# Allegro board 6089-119-RevB_08.brd (continued)
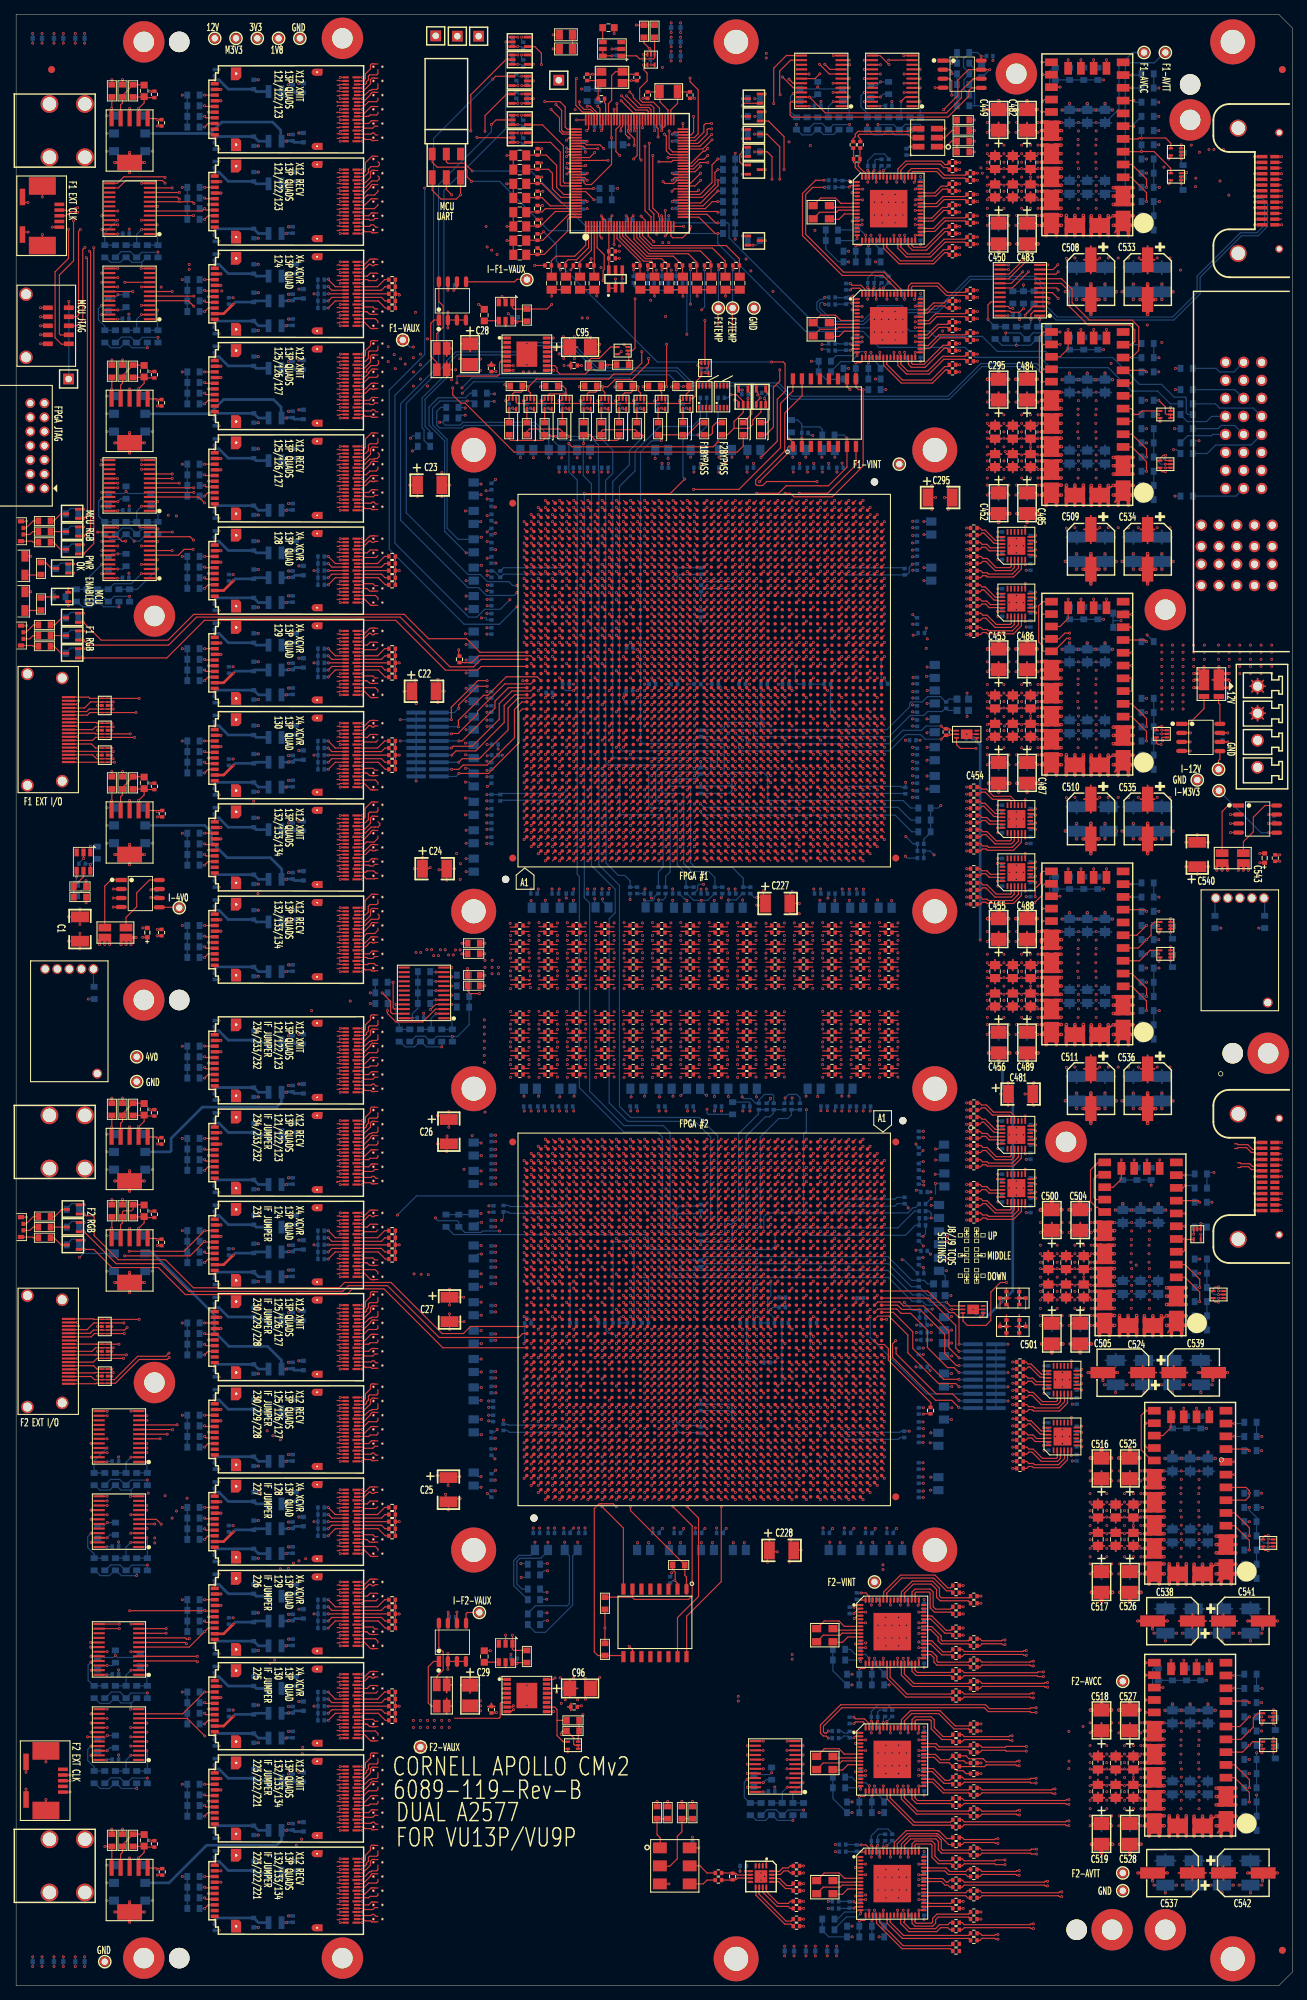
[diagram p0: board, top side]
## Routing (per net, layer and track width the routed paths; a pad name or vN(x,y) marks a point on that pad's centre or on a via; arc(x,y) is an arc through that point) (continued)
  BOTTOM w0.165: R219.2 v1(161.07,221.4) ; R217.2 v1(161.07,227.4) ; v1(98.44,125.3) 98.44,126.26 C881.2 ; C1014.1 v1(67.6,104.25) ; R515.1 R514.1 R513.1 ; R515.1 v1(41.99,173.4) ; R515.1 R516.1 R517.1 ; C839.2 v1(115.7,213.29) ; C1213.2 v1(28.61,32) ; C725.2 130,76.33 129.83,76.5 v1(128.85,76.5) ; C1005.2 v1(66.35,166.95) ; C734.2 v1(128.95,111.85) ; R530.1 R531.1 R532.1 ; R530.1 v1(41.99,52.4) ; R530.1 R529.1 R528.1 ; v1(9.66,2.72) C1228.2 v1(9.66,4.08) ; C580.2 156.16,162.69 156.15,162.7 ; v1(87.61,94.29) 87.61,94.04 R445.1 ; v1(75.09,215.3) C955.2 75.09,217.76 73,219.85 63.15,219.85 62.8,219.5 59.72,219.5 59.3,219.92 59.3,221.85 59.85,222.4 R480.2 ; v1(67.65,206.15) 67.3,206.15 C991.2 ; R246.2 R245.2 R202.2 v1(160,112.8) ; 148.15,124.7 148.16,124.69 C632.2 ; v1(16.12,38.98) 16.2,39.05 16.2,39.85 ; R410.1 102.4,153.9 101.5,153 v1(100.4,153) 100.4,152.09 C877.2 ; R507.1 R506.1 R505.1 ; R323.1 122.36,8.59 C815.2 121.05,10.6 v1(121,10.65) ; R262.2 R254.2 R250.2 v1(153.3,230.54) ; v1(16.12,68.97) 16.2,69.05 16.2,69.85 ; C1041.2 65.08,107.57 v1(65.62,107.57) ; C1019.1 v1(67.6,86.55) ; C1215.2 v1(28.61,19) ; v1(131.25,104.85) 130.46,104.85 C723.2 ; C859.2 v1(113.45,265.51) ; R294.1 135.1,264.9 ; 135.1,264.9 136.4,264.9 v1(136.94,264.36) ; 135.1,264.9 135.1,267.1 134.36,267.84 R292.1 134.36,267.96 135.15,268.75 135.15,270.05 134.36,270.84 R290.1 ; v1(103.16,223.65) 103.2,223.69 C874.2 ; v1(79.52,223.34) 79.95,222.91 C941.2 ; C953.2 v1(76.55,213.29) ; v1(112.39,184.29) 111.95,183.85 R377.1 R370.1 ; v1(73.64,123.27) 73.65,123.27 73.65,123.8 C961.2 ; J12.10 J12.8 J12.6 J12.4 ; J12.10 v1(54.15,175.4) ; J12.10 J12.12 J12.14 J12.16 J12.18 J12.20 v1(56.39,169.76) ; v1(127.25,30.45) 127.35,30.35 C746.2 ; R535.1 R534.1 R533.1 ; R535.1 v1(41.99,39.4) ; R535.1 R536.1 R537.1 ; v1(128.4,176.55) 128.49,176.64 C729.2 ; R682.1 7.14,109.49 7.85,110.2 9.45,110.2 v1(9.6,110.05) ; v1(66.61,81.5) C987.2 ; v1(99.39,182.51) 99.39,183.01 R422.1 ; R434.1 94.55,153.9 95.5,152.95 96.58,152.95 v1(96.59,152.95) ; C693.2 v1(138.39,117.95) ; R676.1 11.11,70.54 11.8,69.85 13.2,69.85 13.89,70.54 R652.1 14.11,70.54 14.8,69.85 16.2,69.85 ; v1(92.5,259.9) 92.55,259.95 C901.2 ; C1009.2 v1(67.6,118.95) ; C997.2 v1(66.4,194.45) ; v1(92.5,250.4) 92.55,250.45 C903.2 ; v1(98.44,123.27) 98.56,123.39 98.55,123.4 C884.2 ; C771.2 127.85,78.55 v1(127.9,78.5) ; 153.5,264.31 C598.2 153.5,264.31 ; J11.8 J11.6 J11.4 ; J11.8 v1(139.82,84.4) ; J11.8 J11.10 J11.12 ; C780.1 v1(126.39,191.85) ; J11.12 v1(139.82,86.4) ; J11.12 J11.14 J11.16 J11.18 J11.20 v1(139.82,90.4) ; v1(85.61,94.29) 85.22,94.29 85.05,94.13 R453.1 R448.1 ; 168,74.31 C551.2 168,74.31 ; v1(6.66,273.72) C1230.2 v1(6.66,275.08) ; v1(120.5,230.15) 120.55,230.1 C817.2 121.86,228.09 R327.1 ; R213.2 v1(159.35,249.4) ; C743.2 v1(128,44.87) ; C1034.2 64.04,173.45 v1(63.35,173.45) ; C1229.1 8.54,153.59 9.85,154.9 9.85,155.68 v1(9.86,155.7) ; R525.1 R526.1 R527.1 ; R525.1 v1(41.99,65.4) ; R525.1 R524.1 R523.1 ; v1(167.8,43.04) R184.2 R194.2 R200.2 R201.2 ; C801.2 v1(123.09,62.45) ; C1007.2 v1(66.36,162.95) ; v1(9.5,158.83) 8.85,158.18 C1226.2 ; R663.1 12.61,243.54 13.3,242.85 14.7,242.85 15.39,243.54 R638.1 15.61,243.54 16.3,242.85 17.7,242.85 ; v1(66.61,79.6) 66.8,79.6 66.9,79.5 C988.2 ; R307.1 R306.1 128.85,159.9 v1(129.4,159.35) ; C1033.2 v1(63.44,176.99) ; J12.4 J12.2 ; J12.4 v1(54.15,178.4) ; R395.1 105.4,88.5 v1(105.39,88.51) ; C1183.2 v1(28.61,192) ; v1(164.24,259.38) 164.24,258.52 R195.1 ; C946.2 v1(78.55,213.29) ; R309.1 126,260.8 123.85,260.8 123.11,261.54 R316.1 122.89,261.54 122.15,260.8 120.85,260.8 120.11,261.54 R335.1 v1(120,262.2) ; C819.2 v1(120.55,35.64) ; R685.1 7.04,207.54 7.65,208.15 9.4,208.15 v1(9.5,208.05) ; R317.1 122.66,183.64 v1(122.39,184.29) ; C1169.2 v1(28.61,270) ; C963.2 v1(72.9,64.5) ; C1170.2 v1(28.61,258.8) ; C753.2 v1(127.5,254.93) ; C1013.2 v1(67.6,106.95) ; v1(110,262.27) R381.1 110.06,261.54 110.8,260.8 112.15,260.8 112.89,261.54 R374.1 113.11,261.54 113.8,260.85 115.25,260.85 115.94,261.54 R359.1 ; C1185.2 v1(28.61,180.8) ; C1187.2 v1(30.61,172.85) ; v1(92.56,152.95) 92.55,152.95 92.55,152.09 C899.2 ; C984.1 v1(66.4,174.9) ; R494.1 54.11,133.04 54.85,132.3 56.15,132.3 56.89,133.04 R492.1 57.11,133.04 57.85,132.3 v1(60,132.3) R484.1 ; R263.2 R255.2 R251.2 v1(153.3,192.54) ; C940.2 v1(79.09,215.3) ; C860.2 112.5,153.95 112.5,154.53 v1(112.44,154.53) ; R178.2 v1(166.85,100.4) ; C684.2 v1(138.39,204.85) ; C665.2 v1(142.39,116.45) ; C974.2 71.21,259.74 v1(70.72,259.74) 70.21,259.74 C982.2 ; C1026.2 64.81,206.3 v1(65.5,206.3) ; C934.2 82.55,154.53 82.58,154.57 v1(82.61,154.57) ; v1(124.15,237.64) 124.05,237.64 C800.2 ; 129.6,111.55 v1(129.6,113.05) 130.68,113.05 130.85,112.88 C716.2 ; R624.1 18.39,204.54 17.4,203.55 v1(16.65,203.55) 15.66,204.54 R642.1 15.39,204.54 14.65,203.8 13.3,203.8 12.56,204.54 R665.1 ; C880.2 v1(99.05,213.29) ; v1(134.05,178.85) 134.05,179.49 L2.1 ; v1(65.6,192.74) 66.3,192.74 66.3,192.45 C998.2 ; C769.2 v1(127.89,88.95) ; R226.2 v1(159.43,190.33) ; C862.2 v1(111.55,213.29) ; R167.2 v1(173.85,29.9) ; R500.1 R499.1 R498.1 ; R500.1 v1(41.99,238.4) ; R500.1 R501.1 R502.1 ; 156.15,200.7 156.16,200.69 C579.2 ; R683.1 7.14,106.99 7.85,107.7 9.45,107.7 v1(9.6,107.55) ; C1181.2 v1(30.61,198.85) ; R162.2 v1(175.57,39.9) ; v1(3.66,273.72) C1232.2 v1(3.66,275.08) ; C921.2 87.6,61.46 v1(87.6,62.45) ; C1219.2 v1(15.95,208.51) ; C1011.2 v1(67.6,114.95) ; C891.1 v1(96.5,194.3) ; C1203.2 v1(28.61,72.8) ; C1017.2 v1(67.6,94.95) ; C797.2 124.65,36.3 v1(124.65,35.64) ; R409.1 102.1,94 v1(102.39,94.29) ; v1(75.64,123.27) 75.65,123.27 75.65,123.8 C957.2 ; C634.2 v1(148.89,73.95) ; C1177.2 v1(28.61,219.8) ; C895.2 v1(95.55,213.29) ; C900.2 v1(92.75,64.5) ; v1(119.76,30.3) 119.7,30.3 119.65,30.35 C828.2 ; v1(75.61,181.51) 75.6,181.52 R461.1 ; C1189.2 v1(28.61,166) ; C799.2 124.05,254.14 v1(124.15,254.14) ; C548.2 170.24,176.53 v1(170.81,176.53) ; R452.1 85.61,181.19 v1(85.61,181.51) 85.61,182.06 86,182.45 R451.1 ; R299.1 128.25,93.3 C736.1 v1(129.01,93.1) ; R440.2 91.95,238.9 ; 91.95,238.9 89.95,238.9 ; 91.95,238.9 93.45,238.9 93.95,239.4 R436.2 ; v1(127.25,48.45) 127.35,48.35 C742.2 ; C1027.2 64.41,201.9 v1(63.45,201.9) 60.4,204.95 60.4,217.7 58.2,219.9 58.2,222.45 59.5,223.75 63.35,223.75 64,224.4 R473.2 ; R153.2 v1(175.57,69.4) ; C925.2 86.65,123.8 86.65,123.27 v1(86.64,123.27) ; v1(126.75,248.95) 127.4,248.95 C755.2 ; v1(109.4,125.1) 109.4,124.45 R384.1 ; C773.2 v1(127.89,72.8) ; C1180.2 v1(28.61,205) ; C739.1 128.45,87.1 v1(128.85,86.7) ; v1(19,154.42) 19.73,154.42 C1217.2 ; J11.4 v1(139.82,82.4) ; J11.4 J11.2 ; v1(8.1,200.35) 8,200.45 6.3,200.45 5.64,199.79 R691.2 ; R522.1 R521.1 R520.1 ; v1(127.85,117.7) 127.35,117.2 C762.2 ; C962.2 72.6,151.99 v1(72.6,152.9) ; C833.2 117.45,123.8 117.45,123.27 v1(117.44,123.27) ; C1212.2 v1(28.61,33.8) ; C658.2 v1(142.39,191.45) ; v1(116.44,154.53) 116.5,154.53 116.5,153.95 C835.2 ; C1025.2 64.71,211.6 v1(65.55,211.6) ; v1(9.6,105.05) 9.45,105.2 7.85,105.2 7.14,104.49 R684.1 ; C724.2 130.26,100.74 ; 130.26,100.74 130.29,100.76 v1(131.15,100.76) ; 130.26,100.74 130.96,100.04 L3.1 ; v1(176.57,165.03) 177.12,165.03 C545.2 ; R231.2 v1(159.35,173.4) ; v1(94.64,123.27) 94.65,123.27 94.65,123.8 C897.2 ; v1(90,261.4) 90.05,261.45 C915.2 ; R325.1 121.86,244.59 C816.2 120.55,246.6 v1(120.5,246.65) ; R677.1 11.11,58.54 11.85,57.8 13.15,57.8 13.89,58.54 R654.1 14.11,58.54 14.85,57.8 v1(17,57.8) R634.1 ; C691.2 v1(138.39,154.95) ; C972.2 71.21,270.74 v1(70.72,270.74) 70.21,270.74 C980.2 ; 88.65,152.91 v1(88.56,153) ; 88.65,152.91 88.65,152.04 C918.2 ; 88.65,152.91 88.68,152.88 89.72,152.88 89.94,153.1 89.94,153.39 90.45,153.9 R441.1 ; C1004.2 66.95,169.45 66.6,169.1 66.6,169 v1(66.43,169) ; v1(88.65,154.55) 88.55,154.45 C919.2 R446.1 ; v1(119.76,12.8) 119.05,12.8 C829.2 ; R198.1 162.74,145.52 v1(162.74,146.38) ; v1(119.26,232.3) 119.2,232.3 119.15,232.35 C831.2 ; C973.2 71.21,262.24 v1(70.72,262.24) 70.21,262.24 C981.2 ; R388.1 108.45,96.35 v1(108.39,96.29) 108.45,96.23 R389.1 ; 148.15,162.7 148.16,162.69 C631.2 ; R690.1 7.04,187.84 7.7,188.5 9.4,188.5 v1(9.5,188.4) ; C784.1 126.95,177.5 v1(126.36,177.5) ; v1(87.61,188.29) 87.21,188.29 R450.1 ; C978.2 v1(69.75,46.7) ; 16.2,69.85 16.89,70.54 R633.1 ; R510.1 v1(41.99,186.4) ; R510.1 R511.1 R512.1 ; R510.1 R509.1 R508.1 ; R688.1 7.04,192.84 7.7,193.5 9.4,193.5 v1(9.5,193.4) ; C731.2 v1(128.4,168.64) ; C870.2 v1(103.09,215.37) ; R622.1 18.39,243.54 17.7,242.85 ; v1(129,108.19) C722.2 ; v1(129,108.19) 129,108.85 128.7,109.15 R301.1 ; v1(129,108.19) 128.96,108.15 R302.1 ; v1(105.5,223.65) 105.5,223.9 106,224.4 C869.2 ; v1(109.66,4.22) C867.2 v1(109.66,5.58) ; 16.2,39.85 14.8,39.85 14.11,40.54 R656.1 13.89,40.54 13.15,39.8 11.8,39.8 11.06,40.54 R678.1 ; 16.2,39.85 16.25,39.85 16.94,40.54 R635.1 ; C756.2 v1(127.5,245.37) ; C1040.2 v1(65.59,112.99) ; v1(92,249.4) 92,248.85 C910.2 ; C737.2 v1(129.01,92.05) ; v1(115.4,123.27) 115.4,123.75 C840.2 ; v1(3.66,4.08) C1233.2 v1(3.66,2.72) ; C865.2 v1(109.49,215.37) ; R437.1 93.25,183.93 v1(93.61,184.29) ; C1035.2 63.89,169.6 v1(63.35,169.6) ; C992.2 67.2,204.65 v1(67.55,204.65) ; C909.2 92.4,57.85 v1(92.4,58.2) ; R503.1 R504.1 R505.1 ; C733.2 v1(127.97,197.99) ; C694.2 v1(138.39,114.35) ; C1024.2 66.5,69.35 66.5,69.37 v1(66.42,69.37) ; R149.1 v1(175.17,149.04) ; C732.2 v1(127.97,204.49) ; v1(119.26,248.8) 119.2,248.8 119.15,248.85 C830.2 ; R243.2 v1(159.35,135.4) ; C821.2 v1(120.05,254.14) ; 168,38.81 C553.2 168,38.81 ; C856.2 v1(113.75,64.5) ; C629.2 148.16,238.69 148.15,238.7 ; C740.2 v1(128,54.43) ; C747.2 v1(128,26.87) ; C1001.2 v1(66.36,179.45) ; R152.2 v1(175.57,75.4) ; C875.2 v1(102.05,16.15) ; SW2.6 v1(12.8,219) ; C657.2 v1(142.39,199.45) ; C738.1 v1(129.01,91) ; v1(121.44,153) 121.5,153 121.5,151.99 C808.2 ; v1(96.6,62.45) 96.6,61.46 C886.2 ; C939.2 v1(80.55,154.53) ; v1(102.39,184.29) 101.9,183.8 R411.1 ; C712.2 v1(137.7,271.26) ; R164.2 v1(175.57,35.9) ; R210.2 v1(159.35,255.4) ; v1(162.74,150.38) 162.74,149.52 R197.1 ; C871.2 v1(103.05,213.29) ; v1(113.3,152.95) 113.3,152.18 C855.2 ; C581.2 156.16,124.69 156.15,124.7 ; C1050.2 61.05,52.5 v1(60.9,52.65) ; v1(166,105.9) 166,106.76 R176.1 ; C1037.2 v1(63.44,160.99) ; v1(81.61,94.29) 81.61,93.89 R456.1 ; v1(112.66,4.22) C863.2 v1(112.66,5.58) ; C827.2 119.05,48.3 v1(119.76,48.3) ; C950.2 v1(77.2,64.5) ; C1008.2 v1(66.35,160.95) ; C758.2 v1(126.74,234.45) ; C876.2 101.1,61.46 v1(101.1,62.45) ; C956.2 v1(75.55,154.53) ; C1022.2 v1(67.5,74.25) ; C864.2 112,218.45 v1(112.3,218.45) ; R218.1 v1(159.35,223.4) ; C1176.2 v1(28.61,231) ; C792.2 v1(125.05,28.15) ; 17.7,242.85 17.7,242.05 v1(17.62,241.97) ; C1225.2 v1(14.45,32.53) ; v1(102.44,123.27) 102.44,123.79 C873.2 ; v1(127.89,114.78) 127.85,114.78 127.85,114.8 127.4,114.8 C763.2 ; v1(9.66,275.08) C1227.2 v1(9.66,273.72) ; R465.2 70.15,56.39 70.15,59.9 70.9,60.65 72.55,60.65 73.14,61.24 C960.2 v1(73.14,62.5) ; C649.2 v1(144.89,87.35) ; C717.2 130.46,116.35 v1(129.6,116.35) ; 153.5,150.31 C606.2 153.5,150.31 ; v1(114.44,153.26) 114.44,153.79 C852.2 ; C735.1 v1(128.9,103.1) ; C789.1 v1(127.43,175.5) ; R460.1 77.05,182.9 77.44,182.51 v1(78.61,182.51) ; C969.2 71.65,123.8 71.65,123.27 v1(71.64,123.27) ; R505.1 v1(41.99,199.4) ; v1(119.1,62.46) 119.1,62.4 119.04,62.34 C825.2 ; R348.1 v1(117.35,227.9) ; R394.1 R400.1 104.95,94 104.66,94.29 v1(104.39,94.29) ; C1010.2 v1(67.6,116.95) ; v1(76.64,125.25) 76.65,125.26 76.65,126.34 C952.2 ; R147.1 177.5,38.62 v1(177.24,38.88) ; C879.2 v1(99.09,215.37) ; v1(66.36,171.25) 66.8,171.25 C1003.2 ; C1038.2 v1(63.44,156.99) ; v1(126.75,232.45) 126.85,232.35 C759.2 ; R284.1 v1(141,231.15) ; v1(141,231.15) 143,231.15 143.89,232.04 R268.1 ; v1(141,231.15) 138.95,231.15 138.06,232.04 R287.1 ; C966.2 71.79,269.06 v1(71.28,269.06) 70.79,269.06 C975.2 ; R520.1 v1(41.99,104.4) ; R520.1 R519.1 R518.1 ; v1(118.44,154.53) 118.5,154.53 118.5,153.95 C826.2 ; C1031.2 v1(63.44,184.99) ; C989.2 66.76,210.65 v1(66.25,210.65) ; v1(117.45,152.95) 117.45,152.04 C832.2 ; C1018.2 v1(67.6,90.95) ; C727.2 129.29,184.5 v1(128.35,184.5) ; C1192.2 v1(28.61,141.8) ; v1(127.94,112.82) 127.95,112.82 127.95,112.9 127.3,112.9 C764.2 ; v1(126.36,171.5) 126.95,171.5 C786.2 ; C1205.2 v1(30.61,64.85) ; C1047.2 v1(65.56,82.49) ; C937.2 81.55,261.45 v1(81.5,261.4) ; C967.2 71.79,266.56 v1(71.28,266.56) 70.79,266.56 C976.2 ; R175.2 v1(168.57,110.4) ; C765.2 127.25,104.9 127.9,104.25 127.9,104.23 v1(127.88,104.23) ; R163.2 v1(175.57,37.9) ; v1(81.56,153.18) 81.56,152.08 C935.2 ; C949.2 77.55,123.25 v1(77.6,123.25) ; v1(106.39,184.29) 105.9,183.8 R397.1 ; v1(164.25,38.81) 164.25,38.81 ; C936.2 82.45,222.91 v1(82.02,223.34) ; R199.2 R193.2 R183.2 v1(167.8,78.54) ; C977.2 v1(69.4,235.6) ; 161,109.31 C573.2 161,109.31 ; C858.2 v1(113.45,123.3) ; C1196.2 v1(28.61,111.8) ; C1036.2 v1(63.36,164.99) ; C690.2 v1(138.39,158.85) ; v1(126.36,179.5) 126.4,179.5 126.45,179.45 C783.2 ; C752.1 128.3,190.85 v1(128.3,191.3) ; C1021.2 v1(67.55,77.15) ; R319.1 122.36,44.09 C813.2 121.05,46.1 v1(121,46.15) ; C1000.2 v1(66.36,181.45) ; v1(9.5,190.9) 9.4,191 7.7,191 7.04,190.34 R689.1 ; C927.2 87,248.85 v1(87,249.4) ; v1(76.52,223.34) 76.95,222.91 C954.2 ; C942.2 80.25,258.6 v1(80.25,258.37) ; v1(124.65,18.14) 124.65,18.8 C798.2 ; C924.2 86.55,261.45 86.65,261.35 86.65,261.35 v1(86.62,261.35) ; C778.2 126.9,201.35 v1(126.36,201.35) ; v1(93.66,272.58) C906.2 v1(93.66,271.22) ; 153.5,226.31 C601.2 153.5,226.31 ; v1(124.65,53.64) 124.65,54.3 C796.2 ; C985.1 66.5,173.4 v1(66.4,173.3) ; C787.2 v1(126.36,169.45) ; 89.95,238.9 89.95,238.13 v1(90,238.08) ; 89.95,238.9 87.7,238.9 87.05,239.55 R447.2 ; 89.95,238.9 R444.2 ; v1(103.9,245.25) 104.3,245.25 104.86,245.81 R405.1 ; C785.2 126.95,173.5 v1(126.36,173.5) ; C893.2 v1(95.75,64.5) ; v1(118.39,96.29) 118.39,96.74 R336.1 ; v1(78.61,92.51) U77.BD27 R459.1 ; C928.2 v1(84.5,240.5) ; C959.2 74.45,222.91 v1(74.02,223.34) ; C929.2 84.95,222.91 v1(84.52,223.34) ; C894.2 v1(95.09,215.37) ; v1(153.3,154.54) R252.2 R256.2 R264.2 R266.2 ; C1048.2 64.84,77.65 v1(65.6,77.65) ; C986.2 v1(66.65,109) ; C688.2 v1(138.39,166.35) ; C1197.2 v1(28.61,110) ; R235.2 v1(161.07,151.4) ; C1218.2 v1(15.95,247.51) ; C854.2 v1(113.59,215.37) ; C945.2 v1(79.3,64.5) ; R265.2 R261.2 R253.2 R249.2 v1(153.3,268.54) ; C728.2 v1(128.41,180.69) ; C861.2 111.35,126.16 111.35,125.35 v1(111.36,125.35) ; C930.2 v1(86.38,259.4) ; R339.1 v1(117.85,43.9) ; C938.2 v1(80.55,213.29) ; C1201.2 v1(28.61,85.8) ; 153.5,188.31 C604.2 153.5,188.31 ; C1052.2 v1(57.45,137.01) ; C795.2 v1(124.55,230.15) ; C943.2 80.45,254.45 v1(80.5,254.4) ; v1(165,255.5) 165,255.4 164.5,254.9 R196.1 ; C661.2 v1(142.39,160.95) ; R172.1 v1(169.83,149.04) ; C944.2 80.45,250.35 v1(80.5,250.4) ; R487.2 55.99,216.25 v1(55.85,216.25) ; C965.2 v1(71.59,125.35) ; C781.2 v1(126.4,183.45) ; C898.2 93.95,222.91 v1(93.52,223.34) ; v1(100.44,154.53) 100.44,154.01 C878.2 ; v1(93.66,276.58) C904.2 v1(93.66,275.22) ; R205.2 v1(161.07,265.4) ; v1(96.59,152.95) 97.5,152.95 98.45,153.9 R423.1 ; v1(96.59,152.95) C885.2 ; R686.1 7.04,204.99 7.7,205.65 9.4,205.65 v1(9.5,205.55) ; C1224.2 v1(14.45,44.51) ; C772.2 v1(127.85,76.55) ; R343.1 v1(117.85,8.4) ; C1190.2 v1(28.61,154.8) ; R375.1 112.85,94 112.56,94.29 v1(112.39,94.29) ; C836.2 116.4,126.09 v1(116.4,125.35) ; v1(6.66,4.08) C1231.2 v1(6.66,2.72) ; 157.25,109.31 v1(157.25,109.31) ; R648.1 v1(14.5,194.3) 12.35,194.3 11.61,195.04 R670.1 11.39,195.04 10.65,194.3 9.35,194.3 8.61,195.04 R681.1 ; R679.1 11.11,28.54 11.85,27.8 13.15,27.8 13.89,28.54 R658.1 14.11,28.54 14.85,27.8 v1(17,27.8) R636.1 ; C685.2 v1(138.39,200.95) ; R404.2 v1(104.1,258.4) ; C883.2 v1(98.75,64.5) ; C766.2 127.62,101.22 v1(127.88,101.22) 127.95,101.15 R308.1 ; C770.2 127.85,80.55 127.85,80.54 v1(127.89,80.54) ; R386.1 108.85,92.8 109.14,92.51 v1(109.39,92.51) ; C951.2 76.55,151.99 v1(76.55,152.95) ; v1(77.56,153.26) 77.55,153.26 C948.2 ; v1(149.75,264.31) 149.75,264.31 ; v1(88.46,272.14) 88.46,271.44 C920.2 ; C1223.2 v1(14.45,62.53) ; C1210.2 v1(28.61,45) ; C1028.2 v1(63.44,197.99) ; C805.2 v1(123.45,265.5) ; C730.2 v1(128.4,172.69) ; v1(77.34,62.5) C947.2 77.34,61.21 78,60.55 78,53.85 77.7,53.55 73.2,53.55 72.14,52.49 R466.2 ; C1184.2 v1(30.61,185.85) ; C1211.2 v1(30.61,38.85) ; C887.2 v1(96.1,228.3) ; C1044.2 v1(65.59,94.49) ; v1(109.39,182.51) 109.39,182.96 R385.1 ; C775.2 v1(127.89,68.8) ; C652.2 v1(144.89,75.45) ; C888.2 v1(96.55,154.51) ; v1(92.5,255.4) 92.55,255.45 C902.2 ; v1(131.9,84.43) 131.9,84.44 C720.2 ; C666.2 v1(142.39,108.95) ; C931.2 v1(84,272.9) ; C804.2 v1(122.75,64.5) ; C926.2 v1(95.35,20.93) ; R687.1 7.1,202.4 7.85,203.15 9.4,203.15 v1(9.5,203.05) ; v1(90.69,125.25) 90.7,125.26 90.7,126.29 C912.2 ; v1(69.02,223.34) 69.45,222.91 C983.2 ; v1(90.64,123.27) 90.65,123.27 90.65,123.8 C914.2 ; R692.2 5.24,196.44 5.68,196.88 v1(7.35,196.88) ; v1(121,28.15) 121.05,28.1 C814.2 122.36,26.09 R321.1 ; C866.2 v1(109.55,213.29) ; C1039.2 v1(65.59,116.99) ; C741.2 v1(127.24,50.45) ; C1174.2 v1(30.61,237.85) ; R181.2 v1(166.85,94.4) ; C1198.2 v1(30.61,103.85) ; v1(93.66,273.22) C905.2 v1(93.66,274.58) ; C1175.2 v1(28.61,232.8) ; C820.2 v1(120.55,18.14) ; C1193.2 v1(28.61,136) ; R432.1 v1(97.39,182.51) ; R664.1 12.61,231.54 13.35,230.8 14.65,230.8 15.39,231.54 R640.1 15.61,231.54 16.35,230.8 v1(18.5,230.8) R623.1 ; SW4.6 v1(12.8,115) ; C958.2 v1(75,64.5) ; C1045.2 v1(65.59,90.49) ; C692.2 v1(138.39,121.85) ; C726.2 v1(128.9,69.84) ; C872.2 102.35,126.16 v1(102.35,125.25) 102.6,125 103.6,125 104.25,124.35 R399.1 104.7,124.8 105.5,125.6 106.63,125.6 106.8,125.43 R391.1 ; C1216.2 v1(28.64,7.8) ; C662.2 v1(142.39,153.45) ; v1(149.75,188.31) 149.75,188.31 ; C751.2 v1(128,9.37) ; C1220.2 v1(15.9,235.53) ; C1191.2 v1(28.61,153) ; C689.2 v1(138.39,162.45) ; C1006.2 v1(66.36,164.95) ; C1030.2 v1(63.44,188.99) ; C1200.2 v1(28.61,97) ; R408.1 103.61,24.04 104.35,23.3 105.65,23.3 106.39,24.04 R393.1 106.61,24.04 107.35,23.3 v1(109.5,23.3) R382.1 ; C1029.2 v1(63.44,193.99) ; v1(73.6,154.53) 73.6,154.05 C964.2 ; v1(115.66,4.22) C853.2 v1(115.66,5.58) ; C818.2 v1(120.55,53.64) ; v1(86.69,125.25) 86.7,125.25 86.7,126.29 C922.2 ; v1(60.87,238.91) 60.9,238.95 C1051.2 ; C788.2 v1(126.36,167.45) ; C1186.2 v1(28.61,179) ; C761.2 v1(127.9,119.5) ; v1(67.6,202.35) 67.1,202.35 C993.2 ; C995.2 66.7,198.75 v1(66.4,198.75) ; C913.2 v1(90.09,215.2) ; C933.2 v1(82.55,213.29) ; v1(84,249.4) 83.82,248.97 C932.2 ; C1046.2 v1(65.59,86.49) ; C1222.2 v1(14.45,74.51) ; C1204.2 v1(28.61,71) ; v1(164.25,74.31) 164.25,74.31 ; SW5.6 v1(12.8,100.7) ; C675.2 v1(141.45,234.76) ; C578.2 156.16,238.69 156.15,238.7 ; C1221.2 v1(15.9,199.03) ; C791.2 v1(125.05,46.15) ; v1(149.75,150.31) 149.75,150.31 ; C760.2 v1(127.5,228.87) ; R165.2 v1(175.57,33.9) ; v1(177.24,34.88) 177.24,34.02 R148.1 ; C719.2 v1(131.89,88.74) ; C757.2 v1(127.5,238.43) ; C1199.2 v1(28.61,98.8) ; C1023.2 v1(67.55,71.25) ; R208.2 v1(161.07,259.4) ; C968.2 v1(71.09,215.34) ; C1016.2 v1(67.6,98.95) ; C868.2 v1(106.95,28.01) ; R221.2 v1(159.35,217.4) ; C907.2 v1(92.55,154.53) ; C1195.2 v1(28.61,123) ; C1194.2 v1(28.61,124.8) ; C1015.1 v1(67.6,101.25) ; C794.2 v1(124.55,246.65) ; C721.2 v1(131.85,79.79) ; v1(65.6,103.1) 65.11,103.1 C1042.2 ; C1182.2 v1(28.61,193.8) ; R442.1 89.61,183.94 v1(89.61,184.29) ; C917.2 v1(89.75,64.5) ; C979.2 70.21,273.24 v1(70.72,273.24) 71.21,273.24 C971.2 ; v1(149.75,226.31) 149.75,226.31 ; SW1.6 v1(12.8,258.5) ; C896.2 94.59,126.29 93.75,125.45 v1(93.7,125.45) ; R206.2 v1(161.07,263.4) ; R346.1 v1(117.35,244.4) ; C745.2 v1(127.24,32.45) ; v1(127.25,12.95) 127.9,12.95 C750.2 ; C857.2 v1(113.65,213.29) ; C923.2 87.45,222.91 v1(87.02,223.34) ; C1043.2 v1(65.59,98.49) ; C782.2 v1(126.4,181.45) ; C686.2 v1(138.39,196.85) ; C744.2 v1(128,36.43) ; C1020.1 v1(67.64,83.55) ; v1(119.41,123.27) 119.45,123.27 119.45,123.8 C824.2 ; C650.2 v1(144.89,83.45) ; C834.2 v1(116.75,64.5) ; SW6.6 v1(12.8,12) ; C970.2 71.95,222.91 v1(71.52,223.34) ; C774.2 v1(127.89,70.8) ; v1(114.7,62.5) 114.7,61.56 C845.2 ; R468.1 72.6,93.73 72.03,94.29 v1(71.61,94.29) ; C996.1 v1(66.45,197.35) ; R224.2 v1(159.35,211.4) ; v1(126.35,203.3) 126.85,203.3 C777.2 ; R238.2 v1(161.07,145.4) ; R170.2 v1(173.85,23.9) ; C1178.2 v1(28.61,217.95) ; C1002.2 v1(66.4,177.45) ; C687.2 v1(138.39,192.95) ; R463.2 71.79,57.55 v1(71.2,57.55) ; v1(67.55,208.35) 67.1,208.35 C990.2 ; C1173.2 v1(28.61,244) ; R675.1 v1(10.17,139.04) ; C994.2 v1(67.64,200.45) ; C1171.2 v1(28.61,257.05) ; C1188.2 v1(28.61,167.8) ; C754.2 v1(126.74,250.95) ; R341.1 v1(117.85,25.9) ; C748.2 v1(128,18.93) ; C1209.2 v1(28.61,46.8) ; C714.2 134,175.85 v1(134,176.35) ; C1012.2 v1(67.6,112.95) ; R240.2 v1(159.35,141.4) ; C1214.2 v1(28.61,20.8) ; C1208.2 v1(30.61,51.85) ; R158.2 v1(173.85,59.4) ; C749.2 v1(127.24,14.95) ; C1172.2 v1(28.61,245.8) ; SW3.6 v1(12.8,161) ; v1(90.02,223.34) 90.45,222.91 C916.2 ; R403.1 v1(104.1,260.9) ; C633.2 v1(148.89,81.95) ; C1202.2 v1(28.61,84) ; C779.2 v1(126.39,199.45) ; R237.2 v1(161.07,147.4) ; C718.2 v1(131.89,92.39) ; v1(92.1,62.45) 92.1,61.46 C908.2 ; C822.2 v1(120.05,237.64) ; C1049.2 64.74,70.25 v1(65.55,70.25) ; C793.2 v1(125.05,10.65) ; R236.2 v1(161.07,149.4) ; R155.2 v1(173.85,65.4) ; C651.2 v1(144.89,79.35) ; C630.2 148.16,200.69 148.15,200.7 ; C695.2 v1(138.39,110.45) ; C776.2 v1(126.39,205.45) ; C823.2 v1(119.75,64.5) ; C1207.2 v1(28.61,58) ; C1206.2 v1(28.61,59.8) ; C713.2 v1(134.9,95.3) ; C790.2 v1(126.11,257.95) ; C999.2 v1(66.36,190.45) ; R207.2 v1(161.07,261.4) ; C911.2 v1(91.05,214.51) ; C1032.2 v1(63.44,180.99) ; R228.2 v1(159.35,179.4) ; C1179.2 v1(28.61,206.8)
  BOTTOM w0.254: 161,98.56 C574.2 ; C574.2 160.1,99.31 ; C574.2 161,100.06 ; 139.6,255.99 C457.2 ; C457.2 140.5,255.24 ; C457.2 141.4,255.99 ; C521.2 155.9,63.81 ; C521.2 154.1,63.81 ; C521.2 155,64.56 ; C552.2 168,65.06 ; C552.2 168,63.56 ; C552.2 167.1,64.31 ; C447.2 138.9,141.99 ; C447.2 138,141.24 ; C447.2 137.1,141.99 ; C559.2 166.4,64.31 ; C559.2 165.5,65.06 ; C559.2 164.6,64.31 ; C460.2 141.4,215.81 ; C460.2 140.5,216.56 ; C460.2 139.6,215.81 ; C512.2 153.4,65.99 ; C512.2 151.6,65.99 ; C512.2 152.5,65.24 ; C498.2 146.4,100.99 ; C498.2 144.6,100.99 ; C498.2 145.5,100.24 ; C561.2 166.4,28.81 ; C561.2 164.6,28.81 ; C561.2 165.5,29.56 ; C491.2 143,254.56 ; C491.2 142.1,253.81 ; C491.2 143.9,253.81 ; 147.1,98.81 C503.2 ; C503.2 148,99.56 ; C503.2 148.9,98.81 ; C507.2 151.4,98.81 ; C507.2 149.6,98.81 ; C507.2 150.5,99.56 ; C464.2 141.4,139.81 ; C464.2 140.5,140.56 ; C464.2 139.6,139.81 ; 157.5,65.24 C529.2 ; C529.2 158.4,65.99 ; C529.2 156.6,65.99 ; 162.1,64.31 C564.2 ; C564.2 163,65.06 ; C564.2 163.9,64.31 ; C493.2 143.9,215.81 ; C493.2 143,216.56 ; C493.2 142.1,215.81 ; 153.5,177.56 C605.2 ; C605.2 152.6,178.31 ; C605.2 153.5,179.06 ; C622.2 151.9,178.31 ; C622.2 150.1,178.31 ; C622.2 151,179.06 ; 137.1,177.81 C446.2 ; C446.2 138,178.56 ; C446.2 138.9,177.81 ; 137.1,215.81 C444.2 ; C444.2 138.9,215.81 ; C444.2 138,216.56 ; C515.2 153.4,28.31 ; C515.2 151.6,28.31 ; C515.2 152.5,29.06 ; C618.2 151,255.06 ; C618.2 150.1,254.31 ; C618.2 151.9,254.31 ; 139.6,217.99 C459.2 ; C459.2 140.5,217.24 ; C459.2 141.4,217.99 ; 143,141.24 C496.2 ; C496.2 143.9,141.99 ; C496.2 142.1,141.99 ; C554.2 168,29.56 ; C554.2 167.1,28.81 ; C554.2 168,28.06 ; C463.2 141.4,141.99 ; C463.2 139.6,141.99 ; C463.2 140.5,141.24 ; C624.2 151.9,140.31 ; C624.2 150.1,140.31 ; C624.2 151,141.06 ; C531.2 158.4,30.49 ; C531.2 156.6,30.49 ; C531.2 157.5,29.74 ; 157.6,99.31 C577.2 ; C577.2 159.4,99.31 ; C577.2 158.5,100.06 ; 154.1,30.49 C522.2 ; C522.2 155,29.74 ; C522.2 155.9,30.49 ; C640.2 149.4,178.31 ; C640.2 147.6,178.31 ; C640.2 148.5,179.06 ; C497.2 143.9,139.81 ; C497.2 142.1,139.81 ; C497.2 143,140.56 ; 155.1,99.31 C591.2 ; C591.2 156.9,99.31 ; C591.2 156,100.06 ; C495.2 143.9,177.81 ; C495.2 142.1,177.81 ; C495.2 143,178.56 ; 153.5,139.56 C607.2 ; C607.2 153.5,141.06 ; C607.2 152.6,140.31 ; C441.2 138.9,255.99 ; C441.2 137.1,255.99 ; C441.2 138,255.24 ; 153.5,253.56 C599.2 ; C599.2 153.5,255.06 ; C599.2 152.6,254.31 ; C499.2 145.5,99.56 ; C499.2 146.4,98.81 ; C499.2 144.6,98.81 ; C638.2 148.5,217.06 ; C638.2 149.4,216.31 ; C638.2 147.6,216.31 ; 156.6,28.31 C532.2 ; C532.2 157.5,29.06 ; C532.2 158.4,28.31 ; 147.1,100.99 C502.2 ; C502.2 148.9,100.99 ; C502.2 148,100.24 ; 137.1,139.81 C448.2 ; C448.2 138,140.56 ; C448.2 138.9,139.81 ; C513.2 152.5,64.56 ; C513.2 151.6,63.81 ; C513.2 153.4,63.81 ; C566.2 163,29.56 ; C566.2 163.9,28.81 ; C566.2 162.1,28.81 ; C520.2 155.9,65.99 ; C520.2 155,65.24 ; C520.2 154.1,65.99 ; 142.1,217.99 C492.2 ; C492.2 143.9,217.99 ; C492.2 143,217.24 ; 153.5,215.56 C602.2 ; C602.2 152.6,216.31 ; C602.2 153.5,217.06 ; C490.2 143.9,255.99 ; C490.2 143,255.24 ; C490.2 142.1,255.99 ; 137.1,217.99 C443.2 ; C443.2 138.9,217.99 ; C443.2 138,217.24 ; C620.2 151,217.06 ; C620.2 151.9,216.31 ; C620.2 150.1,216.31 ; C642.2 148.5,141.06 ; C642.2 147.6,140.31 ; C642.2 149.4,140.31 ; C442.2 138.9,253.81 ; C442.2 137.1,253.81 ; C442.2 138,254.56 ; 139.6,179.99 C461.2 ; C461.2 140.5,179.24 ; C461.2 141.4,179.99 ; C523.2 155,29.06 ; C523.2 154.1,28.31 ; C523.2 155.9,28.31 ; 149.6,100.99 C506.2 ; C506.2 151.4,100.99 ; C506.2 150.5,100.24 ; 139.6,177.81 C462.2 ; C462.2 141.4,177.81 ; C462.2 140.5,178.56 ; C530.2 157.5,64.56 ; C530.2 156.6,63.81 ; C530.2 158.4,63.81 ; 142.1,179.99 C494.2 ; C494.2 143.9,179.99 ; C494.2 143,179.24 ; C458.2 140.5,254.56 ; C458.2 141.4,253.81 ; C458.2 139.6,253.81 ; 138,179.24 C445.2 ; C445.2 137.1,179.99 ; C445.2 138.9,179.99 ; 147.6,254.31 C636.2 ; C636.2 148.5,255.06 ; C636.2 149.4,254.31 ; 151.6,30.49 C514.2 ; C514.2 153.4,30.49 ; C514.2 152.5,29.74